# Altium PCB ISS_PCB.PcbDoc (part 2 of 4) (continued)
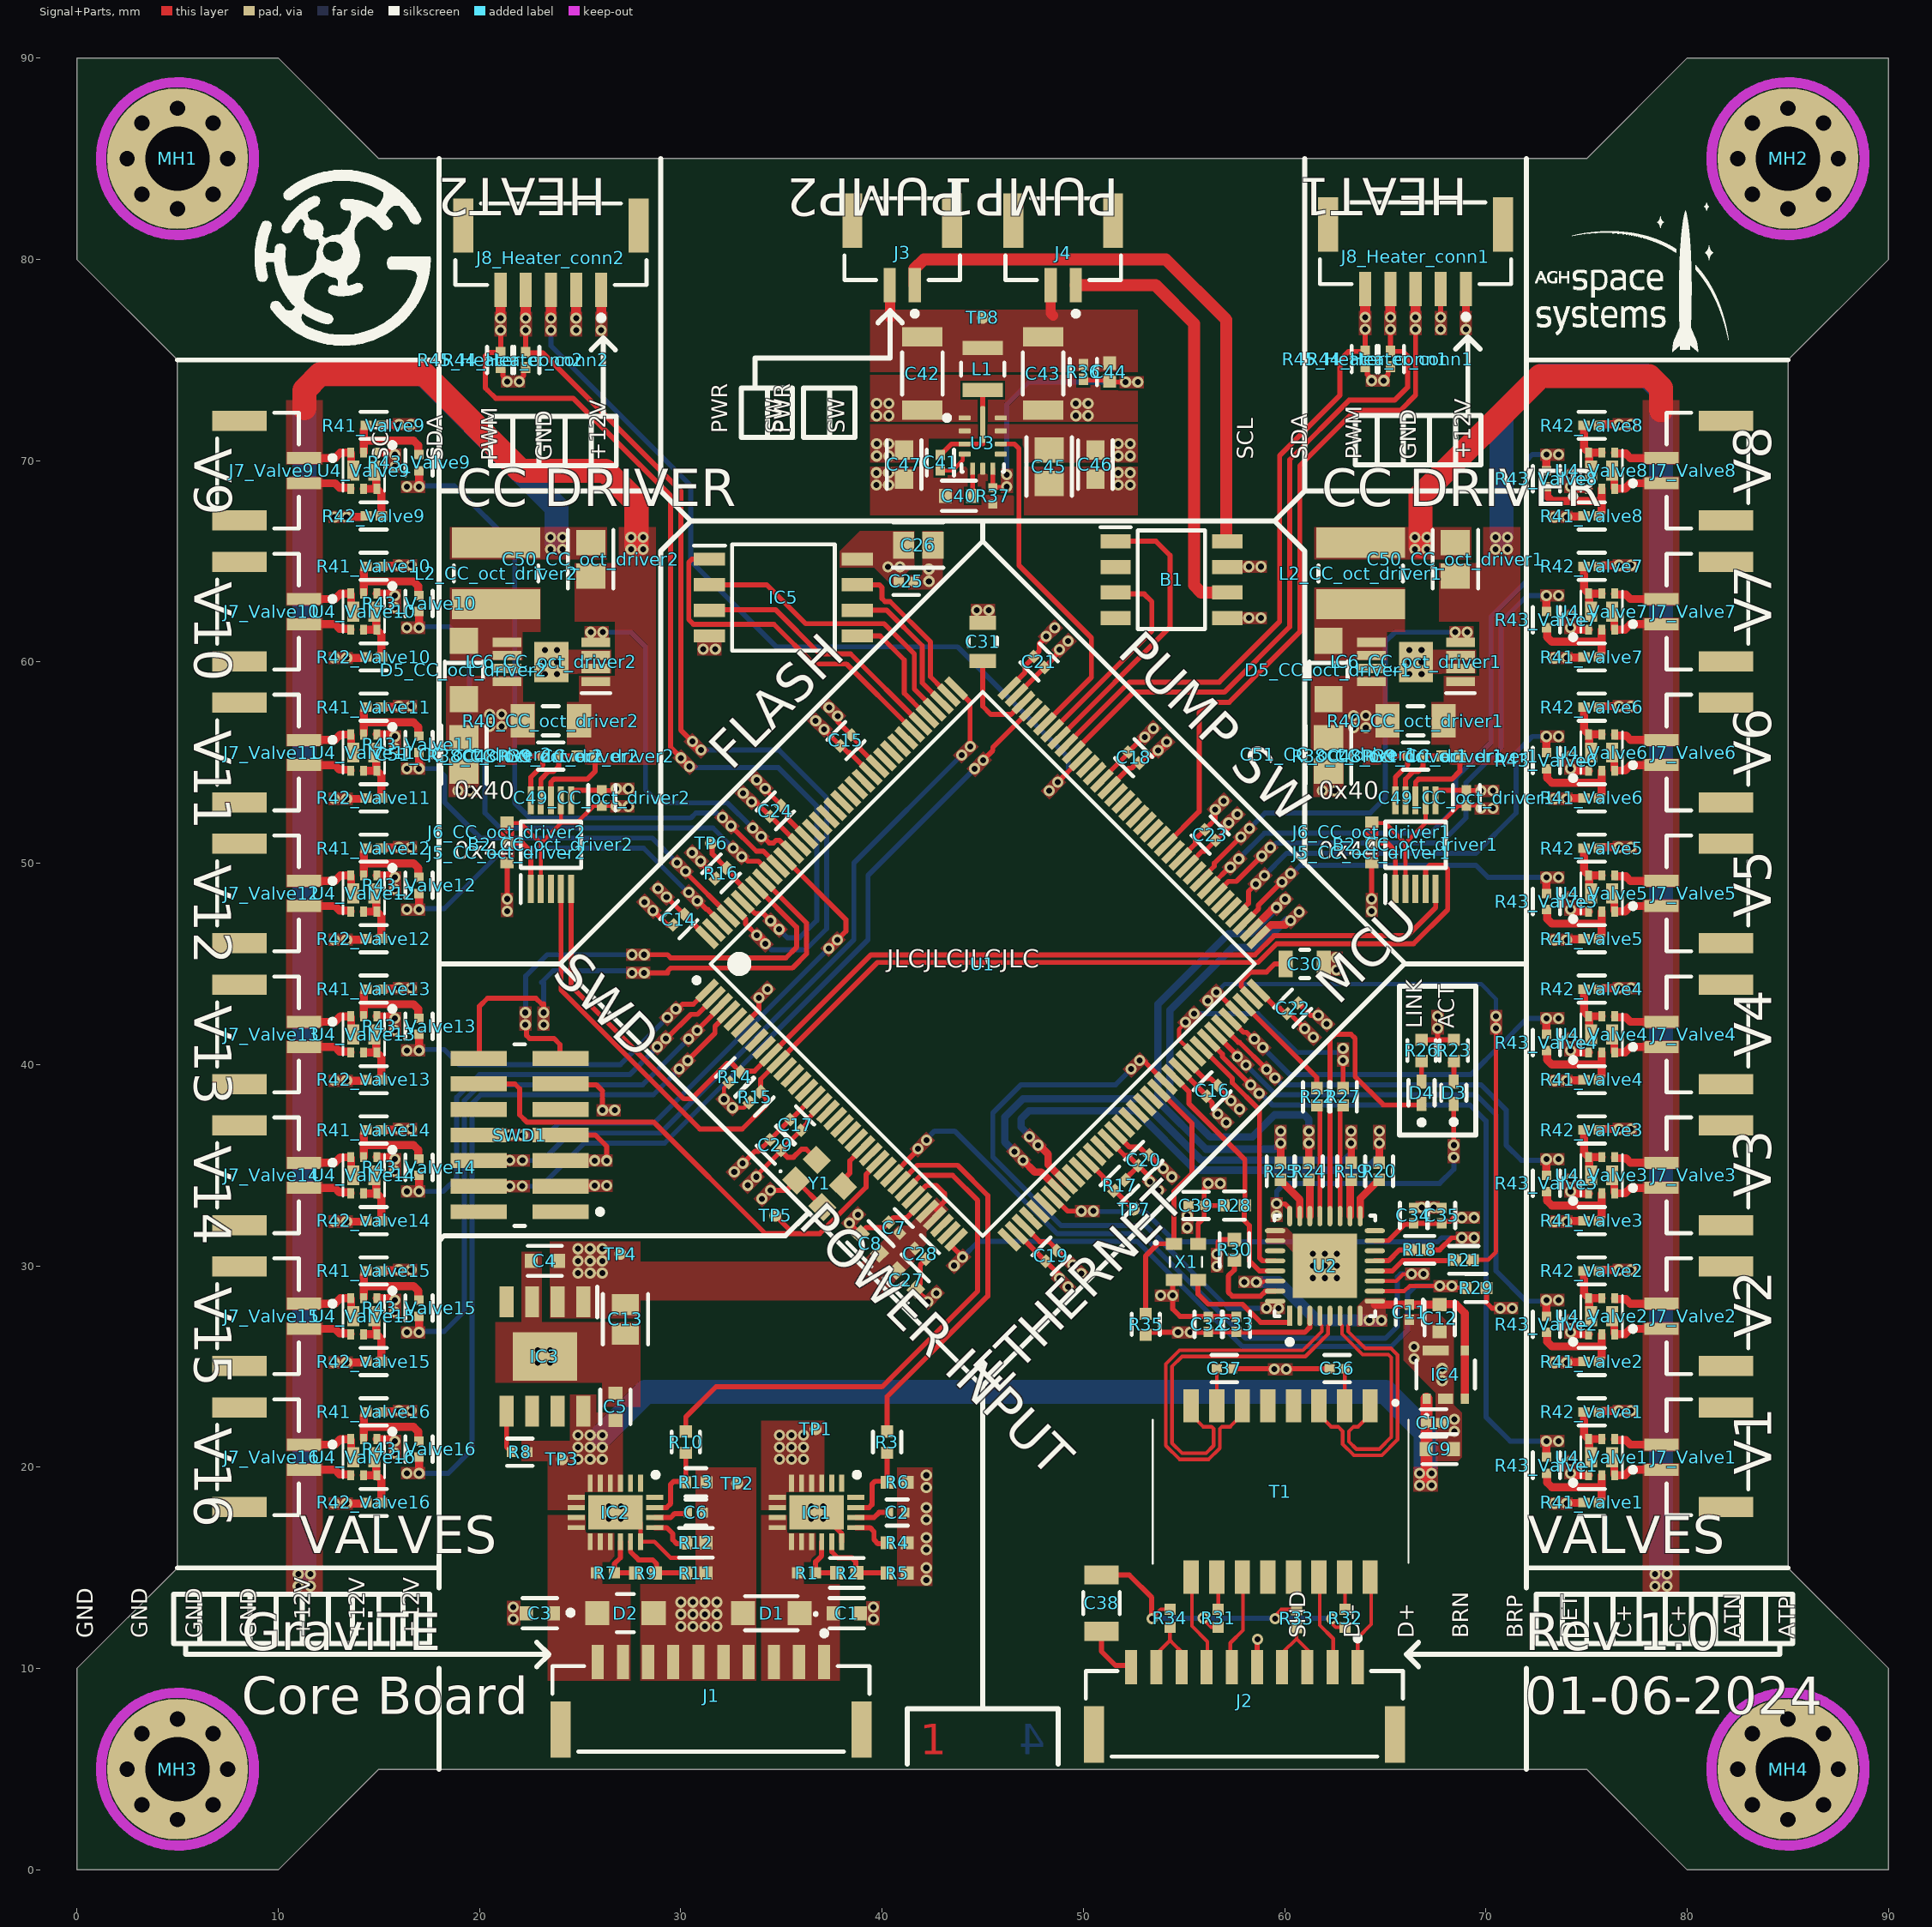
[diagram p0: Signal+Parts view]
## Nets (pads, with @x,y where several pads share a name; then routed paths per layer and width w, separated by ;. In a path a pad name is that pad's centre, name@x,y a point inside that pad or via, vN(x,y) a via of type N, cw(c..) or ccw(c..) an arc to the next point about the centre after c; other vN are vias at no path point) (continued)
+5: C5.1 C9.1 C10.1 IC2.3 IC2.4 IC2.5 IC2.6 IC2.7 IC2.8 IC3.8 IC4.1 R8.1 TP3.1 | length 48.3
  Signal+Parts w0.6: IC4.1@67.05,23.4 67.05,19.55 67.1,19.5
  Signal w1.2: v1(26.099,21.599) 28.25,23.75 65,23.75 67,21.75 67,19.997
  other v1: 66.699,19.099 67.299,19.099 66.699,19.699 67.299,19.699 24.899,20.399 25.499,20.399 26.099,20.399 24.899,20.999 25.499,20.999 26.099,20.999 24.899,21.599 25.499,21.599
+12: C45.1 C46.1 C47.1 C51_CC_oct_driver1.1 C51_CC_oct_driver2.1 D5_CC_oct_driver1.1 D5_CC_oct_driver2.1 IC1.3 IC1.4 IC1.5 IC1.6 IC1.7 IC1.8 IC6_CC_oct_driver1.8 IC6_CC_oct_driver2.8 J8_Heater_conn1.1 J8_Heater_conn2.1 R38_CC_oct_driver1.1 R38_CC_oct_driver2.1 R40_CC_oct_driver1.1 R40_CC_oct_driver2.1 R42_Valve1.2 R42_Valve2.2 R42_Valve3.2 R42_Valve4.2 R42_Valve5.2 R42_Valve6.2 R42_Valve7.2 R42_Valve8.2 R42_Valve9.2 R42_Valve10.2 R42_Valve11.2 R42_Valve12.2 R42_Valve13.2 R42_Valve14.2 R42_Valve15.2 R42_Valve16.2 TP1.1 U3.2 U3.10 | length 45.9
  Signal+Parts w0.381: v1@69,77.1 J8_Heater_conn1.1@69,78.525
  Signal+Parts w0.4: v1(13.4,18.2) 14.208,18.2 14.221,18.214 14.338,18.214 R42_Valve16.2@14.374,18.25 ; v1(13.4,25.2) 14.208,25.2 14.221,25.214 14.338,25.214 R42_Valve15.2@14.374,25.25 ; v1(13.4,32.2) 14.208,32.2 14.221,32.214 14.338,32.214 R42_Valve14.2@14.374,32.25 ; v1(13.4,39.2) 14.208,39.2 14.221,39.214 14.338,39.214 R42_Valve13.2@14.374,39.25 ; v1(13.4,46.2) 14.208,46.2 14.221,46.214 14.338,46.214 R42_Valve12.2@14.374,46.25 ; v1(13.4,53.2) 14.208,53.2 14.221,53.214 14.338,53.214 R42_Valve11.2@14.374,53.25 ; v1(13.4,60.2) 14.208,60.2 14.221,60.214 14.338,60.214 R42_Valve10.2@14.374,60.25 ; v1(13.4,67.2) 14.208,67.2 14.221,67.214 14.338,67.214 R42_Valve9.2@14.374,67.25 ; R42_Valve1.2@75.626,22.75 75.662,22.786 75.779,22.786 75.792,22.8 v1(76.6,22.8) ; R42_Valve2.2@75.626,29.75 75.662,29.786 75.779,29.786 75.792,29.8 v1(76.6,29.8) ; R42_Valve3.2@75.626,36.75 75.662,36.786 75.779,36.786 75.792,36.8 v1(76.6,36.8) ; R42_Valve4.2@75.626,43.75 75.662,43.786 75.779,43.786 75.792,43.8 v1(76.6,43.8) ; R42_Valve5.2@75.626,50.75 75.662,50.786 75.779,50.786 75.792,50.8 v1(76.6,50.8) ; R42_Valve6.2@75.626,57.75 75.662,57.786 75.779,57.786 75.792,57.8 v1(76.6,57.8) ; R42_Valve7.2@75.626,64.75 75.662,64.786 75.779,64.786 75.792,64.8 v1(76.6,64.8) ; R42_Valve8.2@75.626,71.75 75.662,71.786 75.779,71.786 75.792,71.8 v1(76.6,71.8)
  Signal+Parts w0.5: v1(26.05,77.075) J8_Heater_conn2.1@26.05,78.475
  Power w1.2: 20.8,57.1 20.8,69.4 22.683,71.283 ; 63.725,57.025 63.725,69.2
  other v1: 12.8,18.2 34.899,20.399 35.499,20.399 36.099,20.399 34.899,20.999 35.499,20.999 36.099,20.999 34.899,21.599 35.499,21.599 36.099,21.599 77.2,22.8 12.8,25.2 77.2,29.8 12.8,32.2 77.2,36.8 12.8,39.2 77.2,43.8 12.8,46.2 77.2,50.8 12.8,53.2 63.43,56.731 64.03,56.731 20.5,56.799 21.1,56.799 63.43,57.331 64.03,57.331 20.5,57.399 21.1,57.399 77.2,57.8 12.8,60.2 77.2,64.8 12.8,67.2 39.73,70.231 40.33,70.231 51.73,70.231 52.33,70.231 39.73,70.831 40.33,70.831 51.73,70.831 52.33,70.831 77.2,71.8 26.05,76.475 69,76.525 69,77.125
A/T_N: J2.2 T1.14 | length 4.9
  Signal+Parts w0.18: T1.14@61.741,14.571 61.741,12.159 62.414,11.486 J2.2@62.414,9.945
A/T_P: J2.1 T1.16 | length 4.8
  Signal+Parts w0.18: J2.1@63.625,10.075 63.625,11.525 64.3,12.2 T1.16@64.3,14.6
B/R_N: J2.7 T1.9 | length 5
  Signal+Parts w0.18: T1.9@55.391,14.571 T1.9@55.391,14.491 ; T1.9@55.4,14.5 T1.9@55.391,14.491 ; J2.7@56.164,9.945 56.164,11.336 55.391,12.109 55.391,12.692 55.394,12.695 55.394,13.105 55.391,13.108 T1.9@55.391,14.491
B/R_P: J2.6 T1.11 | length 4.9
  Signal+Parts w0.18: J2.6@57.3,9.964 57.3,11.272 57.931,11.903 T1.11@57.931,14.571
BOOT0: R16.1 TP6.1 U1.138 | length 3.3
  Signal+Parts w0.25: TP6.1@31.5,51 31.567,50.933 31.567,50.465 R16.1@32.266,49.766 ; R16.1@32.25,49.75 32.698,49.302 32.698,49.209 33.421,48.486 U1.138@33.421,48.447
BOOT1: R17.1 TP7.1 U1.48 | length 3.2
  Signal+Parts w0.25: U1.48@50.3,35.1 50.304,35.1 51.012,34.392 51.012,34.256 R17.1@51.534,33.734 51.566,33.734 TP7.1@52.5,32.8
BOOT_SW: C41.2 L1.1 U3.3 U3.12 | length 4.4
  Signal+Parts w0.203: U3.12@44.977,71.077 U3.12@45,71.1
  Signal+Parts w0.25: C41.2@42.9,70.279 42.9,70.3 43.011,70.411 43.033,70.411 43.446,70.825 45,70.825 U3.12@45,71.1 ; U3.12@45,71.788 L1.1@45,73.5
C+: J2.3 J2.4 R33.2 | length 4.1
  Signal+Parts w0.18: J2.4@59.914,9.945 59.914,10.807 60.587,11.48 ; R33.2@60.587,11.98 60.587,11.48 ; J2.3@61.164,9.945 61.164,10.902 60.587,11.48
CGND: C38.2 J2.10 | length 2.7
  Signal+Parts w0.254: C38.2@50.9,11.85 50.9,10.85 51.6,10.15 J2.10@52.3,10.15
D+: J2.8 J2.9 R34.2 | length 4
  Signal+Parts w0.18: J2.9@53.7,9.9 53.7,10.8 54.3,11.4 ; R34.2@54.3,12.05 54.3,11.4 ; J2.8@54.875,10.075 54.875,10.825 54.5,11.2 54.3,11.4
Driver_Out+1: B2_CC_oct_driver1.8 C50_CC_oct_driver1.1 IC6_CC_oct_driver1.1 J7_Valve1.1 R39_CC_oct_driver1.1 R40_CC_oct_driver1.2 U4_Valve1.3 U4_Valve1.8 | length 81.3
  Signal+Parts w0.25: B2_CC_oct_driver1.8@66.5,53.125 66.5,54.029 66.646,54.175 68.302,54.175 68.7,54.573 R39_CC_oct_driver1.1@68.7,55.325
  Signal+Parts w0.4: U4_Valve1.8@76.275,20.5 76.375,20.4 U4_Valve1.3@76.375,19.65 ; U4_Valve1.3@76.4,19.6 76.404,19.604 76.904,19.604 77.175,19.875 J7_Valve1.1@78.725,19.875
  Signal w1.2: 70.775,66.2 70.775,72.275 72.725,74.225 77.997,74.225 78.7,73.522 78.7,14.7
  other v1: 78.399,14.099 78.999,14.099 78.399,14.699 78.999,14.699 70.475,65.599 71.075,65.599 70.475,66.199 71.075,66.199
Driver_Out+2: B2_CC_oct_driver2.8 C50_CC_oct_driver2.1 IC6_CC_oct_driver2.1 J7_Valve9.1 R39_CC_oct_driver2.1 R40_CC_oct_driver2.2 U4_Valve9.3 U4_Valve9.8 | length 29.9
  Signal+Parts w0.25: B2_CC_oct_driver2.8@23.55,53.125 23.55,54.029 23.696,54.175 25.352,54.175 25.75,54.573 R39_CC_oct_driver2.1@25.75,55.325
  Signal+Parts w0.4: J7_Valve9.1@11.275,70.125 12.825,70.125 13.096,70.396 13.596,70.396 U4_Valve9.3@13.6,70.4 ; U4_Valve9.3@13.625,70.35 13.625,69.6 U4_Valve9.8@13.725,69.5
  Signal+Parts w1.2: 11.3,72.6 11.3,73.5 12.1,74.3 17.25,74.3 22.05,69.5 26.25,69.5 27.8,67.95 27.8,65.8
  other v1: 27.525,65.599 28.125,65.599 27.525,66.199 28.125,66.199
Driver_Out-1: C50_CC_oct_driver1.2 J7_Valve8.2 L2_CC_oct_driver1.1 U4_Valve8.4 | length 20.7
  Signal+Parts w0.4: U4_Valve8.4@76.4,70.4 76.4,70.375 76.425,70.35 76.95,70.35 77.175,70.125 J7_Valve8.2@78.725,70.125
  Signal+Parts w1.2: 66.75,65.75 66.75,68.25 72.7,74.2 78.1,74.2 78.7,73.6 78.7,72.5
  other v1: 66.475,65.599 67.075,65.599 66.475,66.199 67.075,66.199
Driver_Out-2: C50_CC_oct_driver2.2 J7_Valve16.2 L2_CC_oct_driver2.1 U4_Valve16.4 | length 78.6
  Signal+Parts w0.4: J7_Valve16.2@11.275,19.875 12.825,19.875 13.05,19.65 13.575,19.65 13.6,19.625 U4_Valve16.4@13.6,19.6
  Signal w1.2: 11.3,14.7 11.3,73.5 12.1,74.3 17.2,74.3 23.825,67.675 23.825,65.9
  other v1: 10.999,14.099 11.599,14.099 10.999,14.699 11.599,14.699 23.525,65.599 24.125,65.599 23.525,66.199 24.125,66.199
EN_PUMP1: B1.1 U1.101 | length 14.1
  Signal+Parts w0.25: U1.101@48.801,56.225 54.3,61.725 54.3,65.3 53.6,66 B1.1@51.8,66
EN_PUMP2: B1.3 U1.102 | length 10.3
  Signal+Parts w0.25: U1.102@48.447,56.579 53.4,61.532 53.4,63 53.025,63.375 51.725,63.375 B1.3@51.7,63.4
EN_PUMP_PWR: U1.103 U3.9 | length 17.1
  Signal+Parts w0.25: U3.9@45.9,70.825 46.575,70.825 46.8,70.6 46.8,65.3 46.8,64.8 50.4,61.2 50.4,59.239 U1.103@48.094,56.932
GND: B1.5 B1.7 B2_CC_oct_driver1.2 B2_CC_oct_driver1.7 B2_CC_oct_driver2.2 B2_CC_oct_driver2.7 C1.2 C2.2 C3.2 C4.2 C5.2 C6.2 C7.2 C8.2 C9.2 C10.2 C11.2 C12.2 C13.2 C14.2 C15.2 C16.2 C17.2 C18.2 C19.2 C20.2 C21.2 C22.2 C23.2 C24.2 C25.2 C26.2 C27.2 C28.2 C29.2 C30.2 C31.1 C32.2 C33.2 C34.2 C35.2 C36.2 C37.2 C39.1 C40.1 C42.2 C43.2 C45.2 C46.2 C47.2 C49_CC_oct_driver1.1 C49_CC_oct_driver2.1 C51_CC_oct_driver1.2 C51_CC_oct_driver2.2 D1.2 D2.2 IC1.16 IC1.21 IC2.16 IC2.21 IC3.3 IC3.9 IC4.2 IC4.5 IC5.4 IC6_CC_oct_driver1.2 IC6_CC_oct_driver1.3 IC6_CC_oct_driver1.9 IC6_CC_oct_driver2.2 IC6_CC_oct_driver2.3 IC6_CC_oct_driver2.9 J1.4 J1.5 J1.6 J1.7 J1.8 J2.5 J6_CC_oct_driver1.1 J6_CC_oct_driver2.1 J8_Heater_conn1.2 J8_Heater_conn2.2 R4.1 R5.1 R6.1 R11.1 R12.1 R13.2 R16.2 R17.2 R30.1 R37.1 SWD1.5 SWD1.7 SWD1.11 TP2.1 U1.6 U1.16 U1.31 U1.38 U1.51 U1.61 U1.83 U1.94 U1.107 U1.120 U1.130 U2.25 U2.26 U2.33 U3.1 U3.6 U3.11 U4_Valve1.1 U4_Valve2.1 U4_Valve3.1 U4_Valve4.1 U4_Valve5.1 U4_Valve6.1 U4_Valve7.1 U4_Valve8.1 U4_Valve9.1 U4_Valve10.1 U4_Valve11.1 U4_Valve12.1 U4_Valve13.1 U4_Valve14.1 U4_Valve15.1 U4_Valve16.1 X1.2 Y1.1 Y1.2 | length 107.5
  Signal+Parts w0.203: J6_CC_oct_driver2.1@21.261,52 22.05,52 23.05,51 ; B2_CC_oct_driver2.2@23.05,48.725 23.05,51 ; B2_CC_oct_driver2.7@24.05,53.125 24.05,52.144 ; C49_CC_oct_driver2.1@25.977,52.85 25.677,52.85 25.577,52.75 25.575,52.75 24.85,52.025 24.169,52.025 24.05,52.144 ; C49_CC_oct_driver2.1@26.099,52.849 26.728,52.849 v1@26.827,52.75 ; IC2.21@27.825,17.425 27.998,17.252 27.998,16.302 IC2.16@28,16.3 28.7,16.3 29.5,15.5 31.1,15.5 ; J6_CC_oct_driver1.1@64.211,52 65,52 66,51 ; B2_CC_oct_driver1.2@66,48.725 66,51 ; B2_CC_oct_driver1.7@67,53.125 67,52.144 ; C49_CC_oct_driver1.1@68.927,52.85 68.627,52.85 68.527,52.75 68.525,52.75 67.8,52.025 67.119,52.025 67,52.144 ; C49_CC_oct_driver1.1@69.027,52.871 69.655,52.871 v1@69.777,52.75 ; 23.05,51 24.05,52 24.05,52.144 ; 66,51 67,52 67,52.144
  Signal+Parts w0.25: SWD1.7@24.035,36.5 25.75,36.5 26.317,35.933 v1(26.317,35.233) ; SWD1.11@24.035,39.04 24.16,39.04 24.2,39 25.8,39 26.1,38.7 v1@26.1,37.67 ; v1@28.6,47.7 v1@28.621,47.7 ; v1(28.626,47.652) 29.346,46.932 C14.2@29.632,46.932 ; v1(30.987,50.103) 30.987,50.042 31.75,49.279 R16.2@31.75,49.25 ; U1.6@33.068,41.906 33.876,42.715 v1(33.876,43.323) ; v1(33.082,35.092) 33.691,35.7 33.865,35.7 C29.2@34.432,36.268 C17.2@35.432,37.268 35.466,37.268 36.498,38.3 U1.16@36.6,38.3 ; v1@34.2,53.7 34.2,53.672 34.968,52.905 C24.2@34.968,52.868 ; v1(34.457,33.761) 35.261,33.761 35.7,34.2 35.775,34.2 Y1.2@37.041,32.933 ; C24.2@34.95,52.85 35.3,52.5 35.3,52.225 U1.130@36.25,51.276 ; IC1.21@37.1,17.4 37.3,17.2 37.506,17.2 37.877,16.829 37.877,16.823 38,16.7 IC1.16@38,16.3 ; v1(37.792,57.318) 37.792,57.044 C15.2@38.468,56.368 C15.2@38.468,56.405 ; v1@38.4,32.1 C8.2@38.9,31.6 ; C15.2@38.45,56.35 38.9,55.9 38.9,55.696 U1.120@39.785,54.811 ; C8.2@38.923,31.577 C8.2@38.9,31.6 ; C27.2@41.677,28.823 v1@42.3,28.2 ; C27.2@41.7,28.9 41.9,29.1 41.9,30.065 C28.2@42.168,30.332 ; U1.31@41.906,33.068 41.239,32.4 40.565,32.4 C7.2@40.332,32.168 40.065,31.9 39.2,31.9 C8.2@38.9,31.6 ; U1.107@46.679,58.347 U1.107@46.679,58.347 C21.2@48,59.666 ; U1.38@46.8,31.6 46.8,31.549 48.116,30.232 C19.2@48.132,30.232 48.808,29.556 v1(48.808,29.382) ; C21.2@48.068,59.732 48.5,60.165 48.5,60.207 48.8,60.507 v1@48.8,60.6 ; U1.94@51.276,53.75 52.247,54.722 52.397,54.722 52.657,54.982 52.79,54.982 53.107,55.3 53.409,55.3 v1(53.718,55.608) ; U1.51@51.4,36.1 51.425,36.1 52.047,35.478 52.236,35.478 C20.2@52.732,34.982 53.308,34.406 v1(53.308,34.182) ; R17.2@52.066,34.266 52.066,34.291 52.7,34.925 C20.2@52.7,35 ; v1@53.659,55.465 53.756,55.563 53.763,55.563 v1@54,55.8 ; X1.2@54.475,29.25 54.442,29.217 v1(54.442,28.533) 54.442,27.858 54.8,27.5 57.579,27.5 C33.2@57.6,27.479 ; U1.61@55,39.6 55,39.58 56.132,38.448 C16.2@56.132,38.432 ; U1.83@55.5,50.2 55.9,50.6 56.035,50.6 C23.2@56.568,51.132 57.218,51.783 v1(57.218,52.008) ; C16.2@56.1,38.4 56.4,38.1 56.4,37.9 56.669,37.631 v1(56.669,37.547) ; v1@56.6,30.6 56.7,30.7 56.7,31.2 56.802,31.302 R30.1@57.5,31.302 ; C37.2@57.379,24.9 v1@59.5,24.9 ; J2.5@58.625,10.075 58.637,10.088 58.637,11.488 v1@58.625,11.5 ; v1(60.083,24.867) 60.116,24.9 C36.2@62.2,24.9 ; C22.2@60.758,43.068 C22.2@60.668,43.068 61.293,42.442 v1@61.661,42.442 ; J8_Heater_conn1.2@67.75,78.525 67.75,77.15 v1@67.8,77.1
  Signal+Parts w0.4: U4_Valve16.1@14.9,21.4 v1@15.757,21.4 ; U4_Valve15.1@14.9,28.4 v1@15.757,28.4 ; U4_Valve14.1@14.9,35.4 v1@15.757,35.4 ; U4_Valve13.1@14.9,42.4 v1@15.757,42.4 ; U4_Valve12.1@14.9,49.4 v1@15.757,49.4 ; U4_Valve11.1@14.9,56.4 v1@15.757,56.4 ; U4_Valve10.1@14.9,63.4 v1@15.757,63.4 ; U4_Valve9.1@14.9,70.4 v1@15.757,70.4 ; v1@74.243,19.6 U4_Valve1.1@75.1,19.6 ; v1@74.243,26.6 U4_Valve2.1@75.1,26.6 ; v1@74.243,33.6 U4_Valve3.1@75.1,33.6 ; v1@74.243,40.6 U4_Valve4.1@75.1,40.6 ; v1@74.243,47.6 U4_Valve5.1@75.1,47.6 ; v1@74.243,54.6 U4_Valve6.1@75.1,54.6 ; v1@74.243,61.6 U4_Valve7.1@75.1,61.6 ; v1@74.243,68.6 U4_Valve8.1@75.1,68.6
  Signal+Parts w0.5: v1(24.8,77.075) J8_Heater_conn2.2@24.8,78.475
  other v1: 58.65,11.45 29.999,12.099 30.599,12.099 31.199,12.099 31.799,12.099 21.674,12.452 39.576,12.448 29.999,12.699 30.599,12.699 31.199,12.699 31.799,12.699 21.674,13.052 39.576,13.048 29.999,13.299 30.599,13.299 31.199,13.299 31.799,13.299 42.2,14.4 42.2,15 42.2,15.9 42.2,16.5 42.2,17.4 26.425,17.449 27.025,17.449 36.475,17.449 37.075,17.449 42.2,18 26.425,18.049 27.025,18.049 36.475,18.049 37.075,18.049 42.2,19 42.2,19.6 74.2,19.7 74.2,20.3 15.8,20.7 15.8,21.3 68.433,21.783 68.433,22.383 67.824,24.301 59.483,24.867 67.824,24.901 22.9,25.2 23.5,25.2 66.433,25.383 22.9,25.8 23.5,25.8 66.433,25.983 74.2,26.7 74.2,27.3 15.8,27.7 42.276,28.223 15.8,28.3 53.842,28.533 42.701,28.648 49.233,28.958 61.399,29.399 61.999,29.399 62.599,29.399 56.633,29.983 61.399,29.999 61.999,29.999 62.599,29.999 56.633,30.583 61.399,30.599 61.999,30.599 62.599,30.599 55.167,31.892 38.376,32.123 55.167,32.492 38.801,32.548 66.802,32.901 67.402,32.901 34.032,33.337 74.2,33.7 53.733,33.758 74.2,34.3 32.658,34.667 15.8,34.7 25.717,35.233 15.8,35.3 57.094,37.123 26.117,37.733 26.717,37.733 74.2,40.7 74.2,41.3 15.8,41.7 62.092,42.018 15.8,42.3 61.667,42.442 34.301,43.748 62.577,44.707 62.577,45.307 74.2,47.7 28.202,48.076 74.2,48.3 15.8,48.7 15.8,49.3 30.567,50.524 57.642,52.433 69.749,52.726 70.349,52.726 26.799,52.826 27.399,52.826 18.925,53.6 19.525,53.6 61.875,53.6 62.475,53.6 34.192,53.718 33.767,54.142 74.2,54.7 74.2,55.3 15.8,55.7 54.142,56.033 15.8,56.3 37.367,57.742 23.25,59.4 23.85,59.4 66.2,59.4 66.8,59.4 23.25,60 23.85,60 66.2,60 66.8,60 23.25,60.6 23.85,60.6 48.818,60.608 66.2,60.6 66.8,60.6 31.117,60.633 31.717,60.633 49.242,61.033 74.2,61.7 58.217,62.183 58.817,62.183 74.2,62.3 44.707,62.573 45.307,62.573 15.8,62.7 15.8,63.3 42.327,64.007 42.327,64.607 58.217,64.733 58.817,64.733 74.2,68.7 39.725,68.795 40.325,68.795 51.73,68.796 52.33,68.796 74.2,69.3 39.725,69.395 40.325,69.395 51.73,69.396 52.33,69.396 15.8,69.7 15.8,70.3 39.73,72.231 40.33,72.231 49.63,72.231 50.23,72.231 39.73,72.831 40.33,72.831 49.63,72.831 50.23,72.831 24.8,76.475 67.75,76.525 67.75,77.125
HEAT_I2C_SCL1: J8_Heater_conn1.5 R45_Heater_conn1.1 U1.100 | length 31.2
  Signal+Parts w0.254: U1.100@49.154,55.872 52.283,59 56.75,59 59.75,62 59.75,70.25 62.75,73.25 62.75,75 63.176,75.426 63.926,75.426 64,75.5 v1@64,76.5
  Signal+Parts w0.5: v1(64,77.125) J8_Heater_conn1.5@64,78.525
  other v1: 64,76.525
HEAT_I2C_SCL2: J8_Heater_conn2.5 R45_Heater_conn2.1 U1.139 | length 48
  Signal+Parts w0.25: 20.4,73.5 20.8,73.1 24.65,73.1 29.5,68.25 29.5,55.75 30.014,55.236 v1@30.359,54.891 ; U1.139@33.068,48.094 33.096,48.094 33.69,47.5 34.108,47.5 v1(34.466,47.142) v1(34.89,46.717) ; v1@34.986,46.814 v1@35.1,46.7
  Signal+Parts w0.254: 20.4,73.5 20.3,73.6 20.3,75.2 20.476,75.376 R45_Heater_conn2.1@21.05,75.376 21.05,76.45 v1@21,76.5
  Signal+Parts w0.5: v1(21.05,77.075) J8_Heater_conn2.5@21.05,78.475
  Signal w0.25: v1(30.434,54.808) 30.492,54.75 34.85,54.75 36.75,52.85 36.75,47.15 35.9,46.3 35.3,46.3 v1@34.8,46.8
  other v1: 30.01,55.233 21.05,76.475
HEAT_I2C_SDA1: J8_Heater_conn1.4 R44_Heater_conn1.1 U1.99 | length 33.9
  Signal+Parts w0.254: U1.99@49.508,55.518 52.49,58.5 57,58.5 60.25,61.75 60.25,70.05 63.2,73 65.464,73 66.1,73.636 66.1,75.2 65.874,75.426 R44_Heater_conn1.1@65.25,75.426 v1@65.25,76.5
  Signal+Parts w0.5: v1(65.25,77.125) J8_Heater_conn1.4@65.25,78.525
  other v1: 65.25,76.525
HEAT_I2C_SDA2: J8_Heater_conn2.4 R44_Heater_conn2.1 U1.140 | length 46.6
  Signal+Parts w0.254: R44_Heater_conn2.1@22.3,75.359 23.141,75.359 30,68.5 30,56.624 v1(30.575,56.048) ; R44_Heater_conn2.1@22.3,75.376 v1@22.3,76.45 ; v1@30.514,55.986 v1@30.9,55.6 ; U1.140@32.714,47.74 33.215,47.239 33.215,46.985 v1(33.776,46.424) ; v1@33.875,46.448 v1@34.002,46.321 ; v1@33.93,46.248 v1@34.075,46.248 ; v1@33.93,46.248 v1@34.002,46.321 ; v1@33.93,46.248 v1@34.002,46.321 ; v1@33.93,46.248 v1@34.075,46.248 ; v1@34.075,46.248 34.262,46.062 v1@34.075,46.248
  Signal+Parts w0.5: v1(22.3,77.075) J8_Heater_conn2.4@22.3,78.475
  Signal w0.25: v1(31,55.624) 34.876,55.624 37.25,53.25 37.25,46.75 36.2,45.7 34.5,45.7 v1(34.2,46)
  other v1: 22.3,76.475
HEATER_PWM1: J8_Heater_conn1.3 U1.86 | length 34
  Signal+Parts w0.25: U1.86@54.104,50.922 55.75,52.568 55.75,57.5 56.25,58 57.25,58 60.75,61.5 60.75,69.75 63.5,72.5 65.75,72.5 66.5,73.25 v1@66.5,76.5
  Signal+Parts w0.5: v1(66.5,77.125) J8_Heater_conn1.3@66.5,78.525
  other v1: 66.5,76.525
HEATER_PWM2: J8_Heater_conn2.3 U1.98 | length 41.7
  Signal+Parts w0.25: v1@48.35,53.71 v1@48.35,53.725 ; v1@48.65,53.975 48.675,53.975 49.775,55.075 49.8,55.075 49.8,55.103 U1.98@49.861,55.165
  Signal+Parts w0.5: v1(23.55,77.075) J8_Heater_conn2.3@23.55,78.475
  Signal w0.25: v1@23.55,76.45 23.55,75.7 30.5,68.75 30.5,65 34.75,60.75 43.75,60.75 49.25,55.25 49.25,54.547 v1(48.726,54.023)
  other v1: 48.302,53.599 23.55,76.475
MDC: U1.27 U2.11 | length 36
  Signal+Parts w0.203: U2.11@64.475,29.25 65.55,29.25 65.89,29.59 66.287,29.59 v1@66.297,29.6 ; v1@66.2,29.6 v1@66.297,29.6 ; v1(66.299,29.601) v1@66.297,29.6 ; v1@67.1,29.6 v1@66.297,29.6
  Signal+Parts w0.25: U1.27@40.492,34.482 41.623,35.612 41.623,35.673 41.64,35.69 v1@41.7,35.69
  Signal w0.25: v1@41.8,35.8 v1@41.8,35.9 ; v1@42.207,36.299 42.608,36.7 43.6,36.7 48.7,31.6 52.867,31.6 58.067,26.4 65,26.4 65.601,27.001 65.601,29.455 65.748,29.601 v1(66.299,29.601)
  other v1: 66.899,29.601 41.782,35.816 42.206,36.24
MDIO: R29.2 U1.36 U2.10 | length 34.4
  Signal+Parts w0.203: U2.10@64.475,28.75 65.95,28.75 66.201,29.001 v1(67.699,29.001) ; v1@67.699,28.914 68.886,28.914 R29.2@69,28.8
  Signal+Parts w0.25: U1.36@43.7,31.3 43.446,31.046 43.446,31.001 v1(44.006,30.44)
  Signal w0.25: v1(44.006,30.44) 44.789,31.223 52.677,31.223 57.9,26 65.3,26 66.1,26.8 66.1,28.6 66.501,29.001 v1(67.699,29.001)
  other v1: 68.299,29.001 43.582,30.016
mem_!ce: IC5.1 U1.115 | length 17.2
  Signal+Parts w0.25: IC5.1@31.425,65.105 30.546,65.105 30.398,64.957 30.398,62.102 30.628,61.872 34.628,61.872 36.6,59.9 38.232,59.9 41.4,56.732 U1.115@41.4,56.7
mem_!reset: IC5.7 U1.110 | length 7.7
  Signal+Parts w0.25: IC5.7@38.775,63.835 39.854,63.835 40,63.689 40,63.146 40.146,63 40.4,63 42.4,61 42.4,59.267 U1.110@43,58.667
mem_!wp: IC5.3 U1.114 | length 12.7
  Signal+Parts w0.25: IC5.3@31.6,62.6 34.7,62.6 36.9,60.4 38.439,60.4 U1.114@41.906,56.932
mem_miso: IC5.2 U1.112 | length 14.8
  Signal+Parts w0.25: IC5.2@31.425,63.835 34.265,63.835 36.2,61.9 40.1,61.9 41.6,60.4 41.6,58.653 U1.112@42.614,57.64
mem_mosi: IC5.5 U1.113 | length 5.7
  Signal+Parts w0.25: IC5.5@38.775,61.295 39.905,61.295 40.1,61.1 41.1,60.1 41.1,58.446 U1.113@42,57.546
mem_sck: IC5.6 U1.111 | length 7.1
  Signal+Parts w0.25: IC5.6@38.775,62.565 40.235,62.565 42,60.8 42,58.96 U1.111@42.9,58.06
NetB1_6: B1.6 J4.1 | length 21.5
  Signal+Parts w0.6: J4.1@49.625,78.725 53.575,78.725 55.5,76.8 55.5,63.801 55.851,63.449 B1.6@57.15,63.449
NetB1_8: B1.8 J3.1 | length 28.6
  Signal+Parts w0.6: J3.1@41.625,78.725 41.625,79.549 42.078,80.002 54.098,80.002 57.1,77 B1.8@57.1,66.1
NetB2_CC_oct_driver1_1: B2_CC_oct_driver1.1 J5_CC_oct_driver1.1 J6_CC_oct_driver1.2 | length 3.3
  Signal+Parts w0.25: J6_CC_oct_driver1.2@64.277,51 65.1,51 65.5,50.6 B2_CC_oct_driver1.1@65.5,48.725
NetB2_CC_oct_driver1_9: B2_CC_oct_driver1.9 C48_CC_oct_driver1.1 R39_CC_oct_driver1.2 | length 3.6
  Signal+Parts w0.25: B2_CC_oct_driver1.9@66,53.125 66,54.175 66.377,54.552 66.629,54.552 66.879,54.802 C48_CC_oct_driver1.1@66.879,55.325 ; C48_CC_oct_driver1.1@66.9,55.4 66.975,55.325 R39_CC_oct_driver1.2@67.8,55.325
NetB2_CC_oct_driver1_10: B2_CC_oct_driver1.10 C48_CC_oct_driver1.2 R38_CC_oct_driver1.2 | length 3.3
  Signal+Parts w0.25: R38_CC_oct_driver1.2@65.2,55.325 66.075,55.325 66.1,55.3 66.1,54.875 65.5,54.275 B2_CC_oct_driver1.10@65.5,53.125
NetB2_CC_oct_driver2_1: B2_CC_oct_driver2.1 J5_CC_oct_driver2.1 J6_CC_oct_driver2.2 | length 3.3
  Signal+Parts w0.25: J6_CC_oct_driver2.2@21.327,51 22.15,51 22.55,50.6 B2_CC_oct_driver2.1@22.55,48.725
NetB2_CC_oct_driver2_9: B2_CC_oct_driver2.9 C48_CC_oct_driver2.1 R39_CC_oct_driver2.2 | length 3.6
  Signal+Parts w0.25: B2_CC_oct_driver2.9@23.05,53.125 23.05,54.175 23.427,54.552 23.679,54.552 23.929,54.802 C48_CC_oct_driver2.1@23.929,55.325 ; C48_CC_oct_driver2.1@23.95,55.4 24.025,55.325 R39_CC_oct_driver2.2@24.85,55.325
NetB2_CC_oct_driver2_10: B2_CC_oct_driver2.10 C48_CC_oct_driver2.2 R38_CC_oct_driver2.2 | length 3.3
  Signal+Parts w0.25: R38_CC_oct_driver2.2@22.25,55.325 23.125,55.325 23.15,55.3 23.15,54.875 22.55,54.275 B2_CC_oct_driver2.10@22.55,53.125
NetC1_1: C1.1 D1.1 IC1.9 IC1.10 IC1.11 IC1.12 IC1.13 J1.1 J1.2 J1.3 R1.2
NetC2_1: C2.1 IC1.18 | length 1.8
  Signal+Parts w0.254: IC1.18@38.7,17.5 39.6,17.5 39.85,17.75 C2.1@40.35,17.75
NetC3_1: C3.1 D2.1 IC2.9 IC2.10 IC2.11 IC2.12 IC2.13 J1.9 J1.10 R7.2
NetC6_1: C6.1 IC2.18 | length 1.8
  Signal+Parts w0.254: IC2.18@28.7,17.5 28.702,17.502 29.502,17.502 29.7,17.7 30.277,17.7 30.3,17.723 C6.1@30.3,17.8
NetC30_1: C30.1 U1.71 | length 3.5
  Signal+Parts w0.25: U1.71@58.347,43.321 58.347,43.391 57.847,43.891 57.847,44.132 58.315,44.6 59.1,44.6 59.5,45 C30.1@60,45
NetC31_2: C31.2 U1.106 | length 4.6
  Signal+Parts w0.25: C31.2@45,60 45,57.8 45.4,57.4 46.41,57.4 47.004,57.993 U1.106@47.033,57.993
NetC36_1: C36.1 T1.2 | length 1.8
  Signal+Parts w0.18: C36.1@62.991,24.898 62.991,23.109 T1.2@63,23.1
NetC37_1: C37.1 T1.7 | length 1.8
  Signal+Parts w0.18: T1.7@56.625,23.055 C37.1@56.625,24.896
NetC38_1: C38.1 R31.1 R32.1 R33.1 R34.1 | length 17.4
  Signal+Parts w0.18: v1@53.4,12.5 53.85,12.95 R34.1@54.3,12.95 ; v1@55.9,12.5 56.35,12.05 R31.1@56.7,12.05 ; v1@59.5,12.5 59.5,12.6 59.83,12.93 R33.1@60.587,12.93 ; v1@62.3,12.5 62.3,12.431 62.227,12.358 62.536,12.05 R32.1@63,12.05
  Signal+Parts w0.254: C38.1@50.9,14.65 52.275,14.65 53.4,13.525 v1@53.4,12.5
  Signal w0.254: v1@53.4,12.5 55.9,12.5 57.4,12.5 59.5,12.5 v1@62.3,12.5
  other v1: 53.408,12.483 59.533,12.483 62.333,12.483 55.958,12.508
NetC40_2: C40.2 U3.5 | length 1.3
  Signal+Parts w0.25: U3.5@44.5,69.6 44.5,68.4 C40.2@44.6,68.3
NetC41_1: C41.1 U3.4 | length 1.6
  Signal+Parts w0.203: C41.1@43,69.5 43.5,69.5 44.014,70.014 44.014,70.302 44.038,70.325 U3.4@44.1,70.325
NetC44_1: C44.1 R36.1 R37.2 U3.7 | length 13.3
  Signal+Parts w0.25: U3.7@45.5,69.6 45.5,68.7 45.526,68.674 46.174,68.674 v1(46.199,68.699) ; R36.1@50,74.034 50.037,73.997 C44.1@51.203,73.997 ; C44.1@51.3,73.96 51.36,73.9 v1@51.9,73.9
  Signal w0.25: v1(46.199,69.299) 46.199,72.799 47.299,73.899 52.099,73.899 v1(52.101,73.899)
  other v1: 52.701,73.899
NetD3_1: D3.1 U2.24 | length 13.8
  Signal+Parts w0.25: v1@59.513,33.085 60.014,33.085 60.25,32.849 U2.24@60.25,32.475 ; v1@68.4,36 D3.1@68.4,38.05
  Signal w0.25: v1(59.601,33.098) 59.601,33.701 60,34.1 67.699,34.099 68.4,34.8 v1@68.4,35.5
  other v1: 59.601,32.498 68.399,35.402 68.399,36.002
NetD3_2: D3.2 R23.2 | length 1.1
  Signal+Parts w0.203: R23.2@68.2,40.1 R23.2@68.25,40.05
  Signal+Parts w0.25: D3.2@68.3,39.2 68.4,39.3 R23.2@68.4,40.175
NetD4_1: D4.1 U2.20 | length 16
  Signal+Parts w0.25: U2.20@62.25,32.475 62.25,41.25 62.5,41.5 63.3,41.5 63.5,41.3 63.5,39.4 64.9,38 D4.1@66.8,38
NetD4_2: D4.2 R26.2 | length 1.1
  Signal+Parts w0.25: D4.2@66.8,39.1 D4.2@66.8,39.15 R26.2@66.8,40.175
NetD5_CC_oct_driver1_2: D5_CC_oct_driver1.2 IC6_CC_oct_driver1.5 IC6_CC_oct_driver1.6 L2_CC_oct_driver1.2
NetD5_CC_oct_driver2_2: D5_CC_oct_driver2.2 IC6_CC_oct_driver2.5 IC6_CC_oct_driver2.6 L2_CC_oct_driver2.2
NetIC1_17: IC1.17 R4.2 | length 1.9
  Signal+Parts w0.254: IC1.17@38.7,17 38.702,16.998 39.402,16.998 39.6,16.8 39.6,16.4 39.8,16.2 R4.2@40,16.2
NetIC1_19: IC1.19 R3.1 R6.2 | length 4
  Signal+Parts w0.25: IC1.19@38.7,18 39.354,18 39.5,18.146 39.5,19.154 39.646,19.3 R6.2@40.1,19.3
  Signal+Parts w0.254: R3.1@40.2,20.7 40.25,20.65 R6.2@40.25,19.25
NetIC2_17: IC2.17 R12.2 | length 2
  Signal+Parts w0.254: IC2.17@28.7,17 28.702,16.998 29.302,16.998 29.6,16.7 29.6,16.4 29.8,16.2 R12.2@30.2,16.2
NetIC2_19: IC2.19 R10.1 R13.1 | length 3.9
  Signal+Parts w0.254: IC2.19@28.7,18 28.702,18.002 29.302,18.002 29.5,18.2 29.5,19.151 29.649,19.3 R13.1@30,19.3 ; R13.1@30.225,19.25 30.25,19.275 R10.1@30.25,20.725 R10.1@30.25,20.75
NetIC3_5: IC3.5 R8.2 | length 2.2
  Signal+Parts w0.25: IC3.5@21.345,22.788 21.345,21.005 21.6,20.75 R8.2@21.6,20.7
NetR18_1: R18.1 U2.13 | length 2
  Signal+Parts w0.25: U2.13@64.475,30.25 64.481,30.255 65.155,30.255 65.7,30.8 R18.1@66.2,30.8
NetR19_1: R19.1 U2.18 | length 1.7
  Signal+Parts w0.37: U2.18@63.25,32.475 R19.1@63.25,34.15
NetR20_1: R20.1 U2.17 | length 2.1
  Signal+Parts w0.369: R20.1@64.548,34.148 64.598,34.148 64.6,34.15 R20.1@64.6,34.2
  Signal+Parts w0.37: U2.17@63.75,32.475 63.75,33.35 R20.1@64.548,34.148
NetR21_1: R21.1 U2.12 | length 4.2
  Signal+Parts w0.25: U2.12@64.475,29.75 65.35,29.75 65.862,30.262 R21.1@68.488,30.262
NetR22_1: R22.1 U2.21 | length 5.5
  Signal+Parts w0.25: R22.1@61.7,38 61.75,37.95 U2.21@61.75,32.475
NetR24_1: R24.1 U2.22 | length 1.8
  Signal+Parts w0.369: R24.1@61.2,34.271 R24.1@61.25,34.221
  Signal+Parts w0.37: U2.22@61.25,32.475 R24.1@61.25,34.221
NetR25_1: R25.1 U2.23 | length 2
  Signal+Parts w0.37: R25.1@59.902,34.148 60.75,33.3 U2.23@60.75,32.475
NetR27_1: R27.1 U2.19 | length 5.7
  Signal+Parts w0.25: U2.19@62.75,32.475 62.75,37.789 62.961,38 R27.1@63,38
NetR30_2: R30.2 U2.31 | length 4.2
  Signal+Parts w0.25: R30.2@57.5,30.298 57.5,29.8 57.2,29.5 57.2,28.7 57.4,28.5 58.8,28.5 59.043,28.743 59.134,28.743 59.135,28.745 59.519,28.745 U2.31@59.525,28.75
NetR31_2: R31.2 T1.10 | length 1.6
  Signal+Parts w0.18: T1.10@56.661,14.571 56.7,14.532 R31.2@56.7,12.95
NetR32_2: R32.2 T1.15 | length 1.6
  Signal+Parts w0.18: R32.2@63,12.95 63,14.56 T1.15@63.011,14.571
NetR41_Valve1_1: R41_Valve1.1 R43_Valve1.2 U4_Valve1.2 | length 4.7
  Signal+Parts w0.4: R43_Valve1.2@73,19.698 73.002,19.698 73.036,19.664 73.036,19.234 73.271,19 75.75,19 ; R41_Valve1.1@75.6,18.3 75.75,18.45 75.75,19 ; U4_Valve1.2@75.75,19.6 75.75,19
NetR41_Valve2_1: R41_Valve2.1 R43_Valve2.2 U4_Valve2.2 | length 4.7
  Signal+Parts w0.4: R43_Valve2.2@73,26.698 73.002,26.698 73.036,26.664 73.036,26.234 73.271,26 75.75,26 ; R41_Valve2.1@75.6,25.3 75.75,25.45 75.75,26 ; U4_Valve2.2@75.75,26.6 75.75,26
NetR41_Valve3_1: R41_Valve3.1 R43_Valve3.2 U4_Valve3.2 | length 4.7
  Signal+Parts w0.4: R43_Valve3.2@73,33.698 73.002,33.698 73.036,33.664 73.036,33.234 73.271,33 75.75,33 ; R41_Valve3.1@75.6,32.3 75.75,32.45 75.75,33 ; U4_Valve3.2@75.75,33.6 75.75,33